# Altium PCB Frost5000_PCB.PcbDoc
Units mm, origin at the board's own origin, x right, y up, seen from the top; angles counter-clockwise.
Board outline 48.5 x 30.5 mm, 2 copper layers (Top Layer, Bottom Layer), stack 0.871 mm thick; 61 components, 40 nets, 195 pads, 124 vias.
Unrouted connection lines stored in the file: 150.
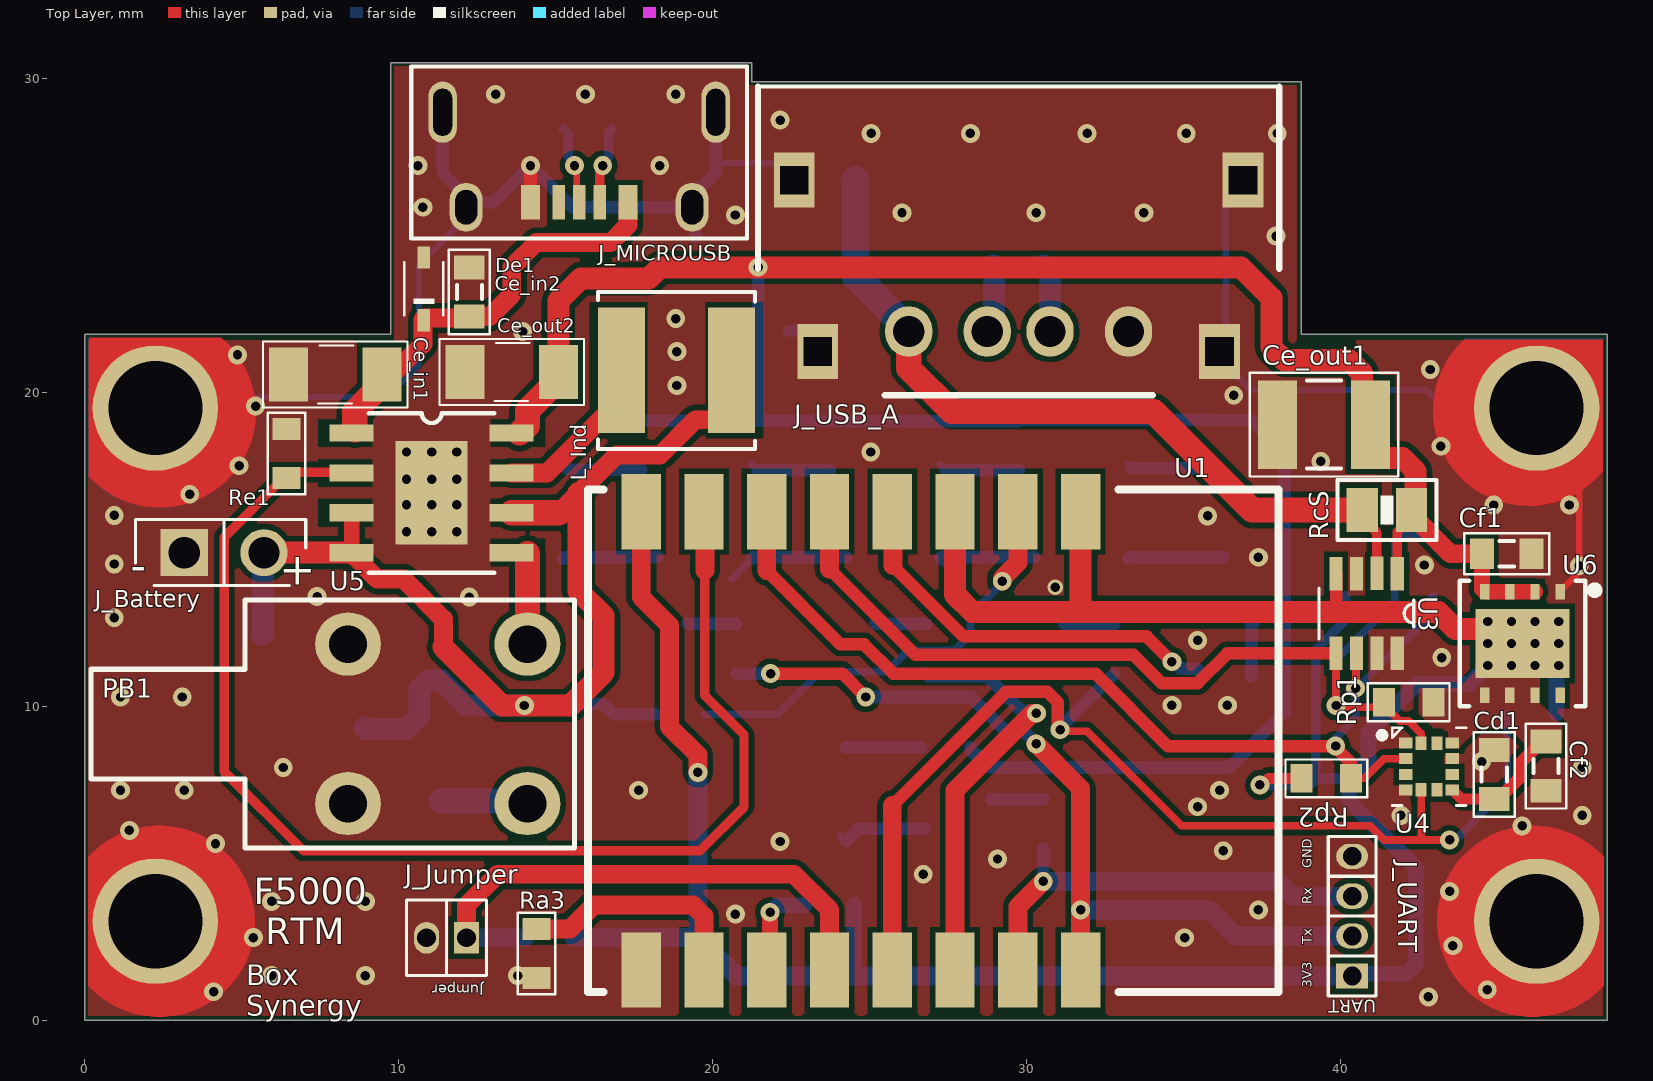
[diagram p0: Top Layer view]
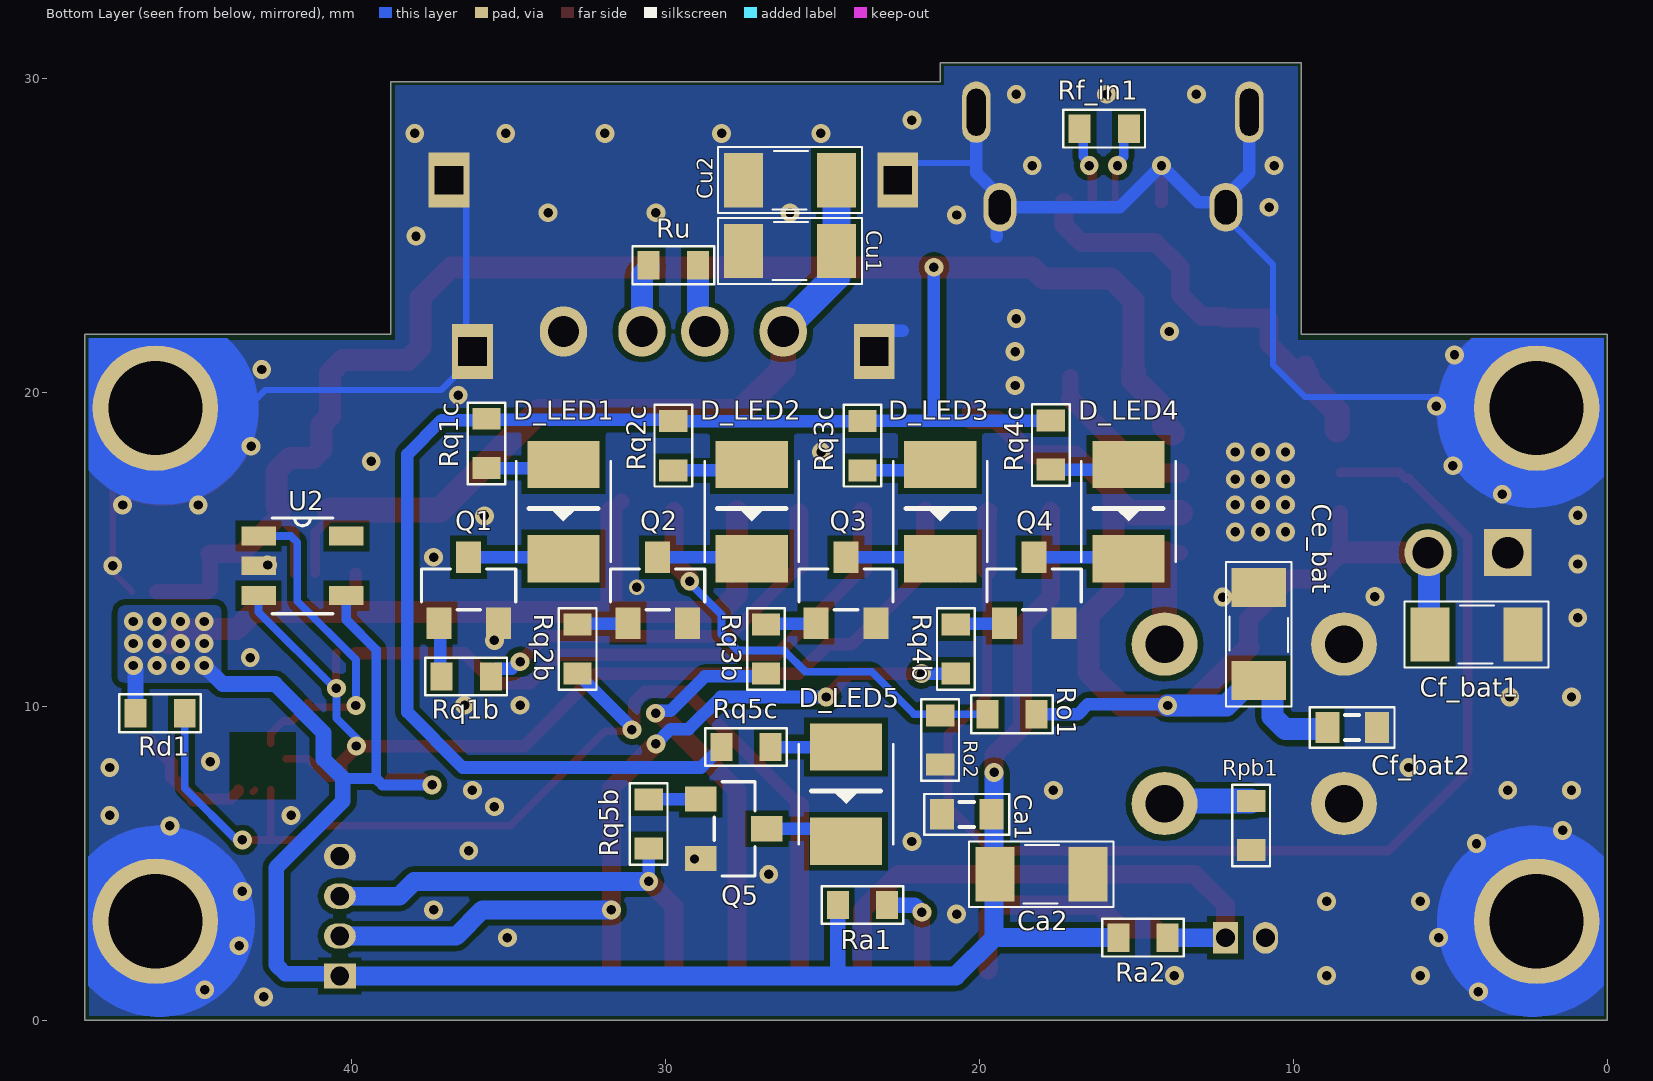
[diagram p1: Bottom Layer view, seen from below]

## Layer stack, top to bottom
Top Solder: solder mask 0.0102, Solder Resist, Dk 3.5
Top Layer: signal copper 0.0356
Dielectric 1: dielectric 0.8, FR-4, Dk 4.8
Bottom Layer: signal copper 0.0356
Bottom Solder: solder mask 0.0102, Solder Resist, Dk 3.5

## Board outline
0,0 0,21.85 9.75,21.85 9.75,30.5 21.25,30.5 21.25,29.9 38.75,29.9 38.75,21.85 48.5,21.85 48.5,0

## Design rules (kind name [scope] priority, off if disabled: settings)
Clearance [All] p1: gap=0.18 ignorepadtopadclearanceinfootprint=FALSE except(0.1: Arc-SMDPad Track-SMDPad SMDPad-SMDPad)
ComponentClearance [All] p1: gap=0.099 collisioncheckmode=3 verticalgap=0.254 showdistances=FALSE
DiffPairsRouting [All] p1: maxlimit=0.254 minlimit=0.254 mostfreqgap=0.254 substack1={21D2EC03-05BD-4C43-88CD-94EB12B345E5} toplayer_{21d2ec03-05bd-4c43-88cd-94eb12b345e5}_minwidth=0.381 toplayer_{21d2ec03-05bd-4c43-88cd-94eb12b345e5}_maxwidth=0.381 toplayer_{21d2ec03-05bd-4c43-88cd-94eb12b345e5}_prefwidth=0.381 bottomlayer_{21d2ec03-05bd-4c43-88cd-94eb12b345e5}_minwidth=0.381 bottomlayer_{21d2ec03-05bd-4c43-88cd-94eb12b345e5}_maxwidth=0.381 bottomlayer_{21d2ec03-05bd-4c43-88cd-94eb12b345e5}_prefwidth=0.381 toplayer_minwidth=0.381 toplayer_maxwidth=0.381 toplayer_prefwidth=0.381 bottomlayer_minwidth=0.381 bottomlayer_maxwidth=0.381 bottomlayer_prefwidth=0.381 maxuncoupledlength=12.7
HoleSize [All] p1: absolutevalues=TRUE maxlimit=3 minlimit=0.025 maxpercent=80.000 minpercent=20.000
MinimumSolderMaskSliver [All] p1: minsoldermaskwidth=0.039
PlaneConnect [All] p1: planeconnectstyle=Direct reliefexpansion=0.508 reliefentries=4 reliefconductorwidth=0.254 reliefairgap=0.254
PolygonConnect [All] p1: connectstyle=Direct reliefconductorwidth=0.254 reliefentries=4 polygonreliefangle="90 Angle" airgapwidth=0.254
RoutingVias [All] p1: holewidth=0.3 width=0.6 viastyle="Through Hole" minholewidth=0.008 minwidth=0.4 maxholewidth=4 maxwidth=7.1
SilkToSilkClearance [All] p1: silktosilkclearance=0
SilkToSolderMaskClearance [IsPad] p1: minsilkscreentomaskgap=0.099 clearancetoexposedcopper=TRUE
SolderMaskExpansion [All] p1: expansion=0.102 istentingtop=FALSE
Width [All] p1: maxlimit=1.2 minlimit=0.2 preferedwidth=0.3 substack1={21D2EC03-05BD-4C43-88CD-94EB12B345E5}
23 further rules are at their usual default settings.

## Components (designator, comment, footprint, x,y, rotation, side; value= is the part's Value field where it differs from the comment)
Ca1 "100nF" CAP_0603 20.404,6.555 r0 bottom
Ca2 "10uF" CAP_1206 18.025,4.65 r180 bottom
Cd1 "0.1uF" CAP_0603 44.9,7.825 r90 top
Ce_bat "22uF 10V" CAP_1206 11.1,12.3 r90 bottom
Ce_in1 "10uF 10V" CAP_1206 7.98,20.57 r180 top
Ce_in2 "100nF 10V" CAP_0603 12.25,23.2 r90 top
Ce_out1 "22uF 10V" CAP_1210 39.475,18.971 r180 top
Ce_out2 "22uF 10V" CAP_1206 13.6,20.65 r180 top
Cf1 "22uF 10V" CAP_0603 45.298,14.859 r0 top
Cf2 "22uF" CAP_0603 46.55,8.094 r270 top
Cf_bat1 "22uF 10V" CAP_1206 4.163,12.285 r180 bottom
Cf_bat2 "100nF 10V" CAP_0603 8.125,9.325 r180 bottom
Cu1 "10uF 10V" CAP_1206 26.034,24.5 r0 bottom
Cu2 "10uF 10V" CAP_1206 26.034,26.76 r0 bottom
D_LED1 "LCB TTSD-T2V1-2J8L-Z" LED_PLCC-2 33.25,16.2 r90 bottom locked
D_LED2 "LCB TTSD-T2V1-2J8L-Z" LED_PLCC-2 27.25,16.2 r90 bottom locked
D_LED3 "LCB TTSD-T2V1-2J8L-Z" LED_PLCC-2 21.25,16.2 r90 bottom locked
D_LED4 "LCB TTSD-T2V1-2J8L-Z" LED_PLCC-2 15.25,16.2 r90 bottom locked
D_LED5 "LCB TTSD-T2V1-2J8L-Z" LED_PLCC-2 24.25,7.2 r90 bottom locked
De1 "Zener 6.5V / 0.5W" ZENER-SOD323F 10.8,23.3 r90 top
J_Battery "Connx2_Battery" BATTERY 4.439,14.895 r180 top
J_Jumper "M50-3530242" "JUMPER-1.27 MM" 11.525,2.625 r180 top
J_MICROUSB "CQ-MUB-FS8772" "MICRO USB" 19.35,25.9 r180 top locked
J_UART "M50-3530442" UART-1.27MM 40.375,3.315 r90 top
J_USB_A "CQ-USB-AFFS90" USB-A__IPX8 33.25,21.94 r180 top locked
L_Ind "1uH 5A" Inductor_SRN5040 18.85,20.7 r180 top
PB1 "Push Button" "800C SWITCH" 14.102,11.98 r270 top locked
Q1 "BC817" TRANSISTOR_SOT23-3 36.27,13.7 r180 bottom locked
Q2 "BC817" TRANSISTOR_SOT23-3 30.25,13.7 r180 bottom locked
Q3 "BC817" TRANSISTOR_SOT23-3 24.25,13.7 r180 bottom locked
Q4 "BC807" TRANSISTOR_SOT23-3 18.255,13.7 r180 bottom locked
Q5 "BC807" TRANSISTOR_SOT23-3 27.825,6.098 r270 bottom
Ra1 "5.6K" RES_0603 23.725,3.67 r0 bottom
Ra2 "5.6K" RES_0603 14.79,2.63 r0 bottom
Ra3 "5.6K" RES_0603 14.39,2.125 r270 top
RcS "ERJ-6BWFR010V" RES-SHUNT-0805 41.482,16.252 r0 top
Rd1 "4.7K" RES_0603 46.1,9.779 r180 bottom
Re1 "5.6K" RES_0603 6.425,18.05 r90 top
Rf_in1 "0 Ohms" RES_0603 16.025,28.4 r180 bottom
Ro1 "332K +-1%" RES_0603 18.96,9.745 r0 bottom
Ro2 "90.9K +- 1%" RES_0603 21.25,8.924 r90 bottom
Rp1 "10K" RES_0603 42.175,10.129 r180 top
Rp2 "10K" RES_0603 39.552,7.706 r0 top
Rpb1 "5.6K" RES_0603 11.344,6.202 r270 bottom
Rq1b "1K" RES_0603 36.35,10.95 r180 bottom
Rq1c "2.74K" RES_0603 35.7,18.375 r90 bottom
Rq2b "1K" RES_0603 32.8,11.825 r270 bottom
Rq2c "2.74K" RES_0603 29.75,18.3 r90 bottom
Rq3b "1K" RES_0603 26.8,11.825 r270 bottom
Rq3c "2.74K" RES_0603 23.725,18.3 r90 bottom
Rq4b "1K" RES_0603 20.75,11.825 r270 bottom
Rq4c "2.74K" RES_0603 17.725,18.325 r90 bottom
Rq5b "1K" RES_0603 30.535,6.251 r270 bottom
Rq5c "2.74K" RES_0603 27.435,8.7 r0 bottom
Ru "0 Ohms" RES_0603 29.75,24.05 r180 bottom
U1 "ESP-07" ESP-07 16.225,16.9 r270 top locked
U2 "EEPROM 128K" 24CW128 41.565,14.475 r180 bottom
U3 "INA219BIDCNR" "INA219B SOT23" 40.837,12.957 r270 top
U4 "MC3419" MC3419 42.825,8.08 r0 top
U5 "FM5324G" SOP8 11.05,16.8 r0 top
U6 "LM1117LD-3.3/NOPB" LM1117-3.3-WSON-8 45.8,12 r270 top

## Footprints (in the part's own frame and the unit in brackets; to place one, negate y for a bottom-side part, rotate by r counter-clockwise, add the part's x,y. Pads: shape width x height; smd on the part's side, far side on the other; paste and mask are expansions set on the pad)
24CW128 [mm] "Footprint EEPROM SOT23"
  rect 1.1x0.6 smd: 1(-1.4,0.95) 2(-1.4,0) 3(-1.4,-0.95) 4(1.4,-0.95) 5(1.4,0.95)
  silkscreen extent -0.97,-1.53 0.97,1.53, body extent -1.25,-1.5 1.25,1.5, height 1.11
"800C SWITCH" [mm]
  oval 2x2.1 hole 1.2: 1(5.08,0) 3(0,0) 4(0,-5.715) 4(5.08,-5.715)
  silkscreen extent -1.4,-13.9 6.5,1.5, body extent -1.51,-19.2 6.59,0.7, height 6.61
BATTERY [mm] "Footprint Battery"
  round 1.5 hole 1: 1(-1.27,0)
  rect 1.5x1.5 hole 1: 2(1.27,0)
  silkscreen extent -2.6,-1.05 2.83,1.05
CAP_0603 [mm] "Footprint Cap Ceramic 0603"
  rect 0.762x0.976 smd: 1(-0.785,0) 2(0.785,0)
  silkscreen extent -1.35,-0.65 1.35,0.65, body extent -0.8,-0.4 0.8,0.4, height 0.81
CAP_1206 [mm] "Footprint Cap Ceramic 1206"
  rect 1.24x1.727 smd: 1(-1.485,0) 2(1.485,0)
  silkscreen extent -2.3,-1.05 2.3,1.05, body extent -1.6,-0.8 1.6,0.8, height 0.79
CAP_1210 [mm] "Footprint Cap Ceramic 1210"
  rect 1.24x2.81 smd: 1(-1.485,0) 2(1.485,0)
  silkscreen extent -2.36,-1.65 2.36,1.65, body extent -1.6,-1.25 1.6,1.25, height 0.79
ESP-07 [mm] "ESP8266 Modulo"
  rect 2.4x1.25 smd: 1(0.7,15.5) 2(0.7,13.5) 3(0.7,11.5) 4(0.7,9.5) 5(0.7,7.5) 6(0.7,5.5) 7(0.7,3.5) 8(0.7,1.5) 9(15.3,1.5) 10(15.3,3.5) 11(15.3,5.5) 12(15.3,7.5) 13(15.3,9.5) 14(15.3,11.5) 15(15.3,13.5) 16(15.3,15.5)
  silkscreen extent 0,-0.2 16,21.8, body extent 0,-0.2 16,21.8, height 3.51
"INA219B SOT23" [mm] "Current Monitor"
  rect 1.067x0.42 smd mask+0.09: 1(-1.27,0.975) 2(-1.275,0.325) 3(-1.27,-0.325) 4(-1.27,-0.975) 5(1.27,-0.975) 6(1.27,-0.325) 7(1.27,0.325) 8(1.27,0.975)
  silkscreen extent -0.81,-1.52 0.81,1.5, body extent -1.4,-1.47 1.4,1.47, height 1.2
Inductor_SRN5040 [mm] "Inductor_SRN5040"
  rect 1.5x4 smd: 1(-1.75,0) 2(1.75,0)
  silkscreen extent -2.5,-2.5 2.5,2.5, body extent -2.5,-2.5 2.5,2.5, height 4.01
"JUMPER-1.27 MM" [mm] "Footprint Jumper"
  rect 0.8x1.016 hole 0.6: 1(-0.635,0)
  oval 0.8x1.016 hole 0.6: 2(0.635,0)
  silkscreen extent -1.27,-1.2 1.28,1.2, body extent -1.27,-1.2 1.27,1.2, height 4.85
LED_PLCC-2 [mm] "Footprint_LED_PLCC-2"
  rect 1.5x2.3 smd: 1(-1.5,0) 2(1.5,0)
  silkscreen extent -1.6,-1.5 1.6,1.5, body extent -1.73,-1.4 1.85,1.4, height 1.67
LM1117-3.3-WSON-8 [mm] "Footprint del LDO de Texas"
  rect 0.5x0.3 smd mask+0.07: 1(-1.65,1.2) 2(-1.65,0.4) 3(-1.65,-0.4) 4(-1.65,-1.2) 5(1.65,-1.2) 6(1.65,-0.4) 7(1.65,0.4) 8(1.65,1.2)
  rect 2.2x3 smd mask+0.07: 9(0,0)
  silkscreen extent -2,-2 2,2.4, body extent -2,-2 2,2, height 0.81
MC3419 [mm] "Footprint LSM303AGR"
  rect 0.43x0.35 smd mask+0.033: 1(-0.745,0.75) 2(-0.745,0.25) 3(-0.745,-0.25) 4(-0.745,-0.75) 7(0.745,-0.75) 8(0.745,-0.25) 9(0.745,0.25) 10(0.745,0.75)
  rect 0.35x0.43 smd mask+0.033: 5(-0.25,-0.745) 6(0.25,-0.745) 11(0.25,0.745) 12(-0.25,0.745)
  silkscreen extent -1.6,-1.24 1.17,1.24, body extent -1,-1 1,1, height 0.97
"MICRO USB" [mm] "Footprint MicroUSB"
  oval 0.9x1.95 hole 0.6 slot 1.5 at 90 deg: 0(-0.75,-3.025) 0(7.95,-3.025)
  oval 1.05x1.55 hole 0.7 slot 1.1 at 90 deg: 0(0,0) 0(7.2,0)
  rect 0.6x1.1 smd mask+0.08: 1(2.05,-0.15) 5(5.15,-0.15)
  rect 0.4x1.1 smd mask+0.08: 2(2.95,-0.15) 3(3.6,-0.15) 4(4.25,-0.15)
  silkscreen extent -1.75,-4.47 8.95,1, body extent -1.35,-7.02 8.55,0.28, height 4.32
RES-SHUNT-0805 [mm] "SHUNT 0805"
  rect 1x1.4 smd: 1(-0.785,0) 2(0.785,0)
  silkscreen extent -1.57,-0.95 1.58,0.95, body extent -0.99,-0.66 1.03,0.61, height 0.63
RES_0603 [mm] "Footprint Resistor 0603"
  rect 0.7x0.9 smd: 1(-0.785,0) 2(0.785,0)
  silkscreen extent -1.3,-0.6 1.3,0.6, body extent -0.8,-0.4 0.8,0.4, height 0.46
SOP8 [mm]
  rect 1.4x0.55 smd: 1(-2.55,1.905) 2(-2.55,0.635) 3(-2.55,-0.635) 4(-2.55,-1.905) 5(2.55,-1.905) 6(2.55,-0.635) 7(2.55,0.635) 8(2.55,1.905)
  rect 2.3x3.3 smd mask+0.07: 9(0,0)
  silkscreen extent -2,-2.54 2,2.54, body extent -3,-2.45 3,2.45, height 1.75
TRANSISTOR_SOT23-3 [mm] "Transistor NPN"
  rect 0.8x1 smd: B(-0.95,-1.05) C(0,1.05) E(0.95,-1.05)
  silkscreen extent -1.5,-0.63 1.5,0.67, body extent -1.5,-1.25 1.5,1.25, height 1.11
UART-1.27MM [mm] "Socket UART"
  rect 0.8x1.016 hole 0.6: 1(-1.905,0)
  oval 0.8x1.016 hole 0.6: 2(-0.635,0) 3(0.635,0) 4(1.905,0)
  silkscreen extent -2.54,-0.76 2.54,0.76, body extent -2.54,-1.2 2.54,1.2, height 4.85
USB-A__IPX8 [mm] "Footprint del USB tipo A"
  rect 1.3x1.75 hole 0.9 square: 0(-3.65,-4.82) 0(-2.9,0.64) 0(9.9,0.64) 0(10.65,-4.82)
  oval 1.5x1.6 hole 1: 1(7,0) 2(4.5,0) 3(2.5,0) 4(0,0)
  silkscreen extent -4.8,-7.8 11.8,2.03, body extent -4.15,-10.95 11.15,1.2, height 7.46
ZENER-SOD323F [mm] "Fooprint Zener"
  rect 0.71x0.403 smd: A(1,0) C(-1,0)
  silkscreen extent -0.85,-0.63 0.85,0.63, body extent -1.25,-0.67 1.25,0.68, height 1.01

## Part data
Ca1 Cd1 Ce_in2 Cf1 Cf2 Cf_bat2: library part Cap_0603_Ceramic, "Capac Ceramic SMD 0603"
Ca2 Ce_bat Ce_in1 Ce_out2 Cf_bat1 Cu1 Cu2: library part Cap_1206_Ceramic, "Capac Ceramic SMD"
Ce_out1: library part Cap_1210_Ceramic, "Capac Ceramic SMD 1210"
D_LED1 D_LED2 D_LED3 D_LED4 D_LED5: library part LCB_TTSD, "Blue LED PLCC-2", Package="0603 Broadcom", Availability=Unavailable, MF="Broadcom Limited", MP=HSMW-C191, Price=None, SnapEDA_Link=https://www.snapeda.com/parts/HSMW-C191/Broadcom%20Limited/view-part/1840124/?ref=snap
De1: library part Zener, Package="SOD-123 Littelfuse", Supplier Part Number 1=621-DDZ6V8BSF-7, Availability=Unavailable, MF=Littelfuse, MP=SMF5.0AT1G, Price=None, SnapEDA_Link=https://www.snapeda.com/parts/SMF5.0AT1G/Littelfuse/view-part/4502608/?ref=snap, Supplier 1=Mouser
J_Battery: "NO SOCKET"
J_Jumper: library part Jumper, "1.27mm Pin Header 2x1", Supplier Part Number 1=855-M50-3530242, Supplier 1=Mouser
J_MICROUSB: library part MicroUSB, "MicroUSB B-type Socket"
J_UART: library part Connx4_UART, "1.27mm Pin Header 4x1", Supplier Part Number 1=855-M50-3530442, Supplier 1=Mouser
J_USB_A: library part "USB-A 5V", "USB-A Socket"
L_Ind: library part Ind_SRN5040, "Inductor_SRN5040", Package="Nonstandard Vishay Dale", Supplier Part Number 1=652-SRN5040TA-1R0M, Availability=Unavailable, MF="Vishay Dale", Price=None, SnapEDA_Link=https://www.snapeda.com/parts/IHLP-2525CZ-01/Vishay%20Dale/view-part/561997/?ref=snap, Supplier 1=Mouser
PB1: library part 800C, "Push Button 800C", Supplier Part Number 1=612-800-S762, Supplier 1=Mouser
Q1 Q2 Q3: "Transistor NPN", Supplier Part Number 1=BC817-40WDICT-ND, Supplier 1=Digi-Key
Q4 Q5: "Transistor PNP", Supplier Part Number 1=BC807-40FCT-ND, Supplier 1=Digi-Key
Ra1 Ra2 Ra3 Rd1 Re1 Rf_in1 Ro1 Ro2 Rp1 Rp2 Rpb1 Rq1b Rq1c Rq2b Rq2c Rq3b Rq3c Rq4b Rq4c Rq5b Rq5c Ru: library part Res_0603, "Resistor SMD", LatestRevisionDate=17-Jul-2002, LatestRevisionNote="Re-released for DXP Platform.", PackageDescription="Axial Device, Thru-Hole; 2 Leads; 0.3 in Pin Spacing", PackageReference=AXIAL-0.3, Published=8-Jun-2000, Publisher="Altium Limited"
RcS: library part Shunt_0805, "Shunt 0.01 Ohm 0.5W 1% SMD Resistor", Supplier Part Number 1=667-ERJ-6BWFR010V, LatestRevisionDate=17-Jul-2002, LatestRevisionNote="Re-released for DXP Platform.", PackageDescription="Axial Device, Thru-Hole; 2 Leads; 0.3 in Pin Spacing", PackageReference=AXIAL-0.3, Published=8-Jun-2000, Publisher="Altium Limited", Supplier 1=Mouser
U1: "ESP07 Module with Antenna Ai-Thinker", Package="TSOT-23-6 Diodes Inc.", Availability=Unavailable, MF="Diodes Inc.", MP=AP65111AWU-7, Price=None, SnapEDA_Link=https://www.snapeda.com/parts/AP65111AWU-7/Diodes%20Inc./view-part/1631258/?ref=snap
U2: library part 24CW1280T-I/OT, Supplier Part Number 1=579-24CW1280T-I/OT, Supplier 1=Mouser
U3: "Current Monitor Regulator High-Side 10mA SOT-23-8", Package="SOT-23 Texas Instruments", Supplier Part Number 1=595-INA219BIDCNR, Digi-Key_Part_Number=296-46420-1-ND, Digi-Key_Purchase_URL=https://www.digikey.com.au/product-detail/en/texas-instruments/INA219BIDCNR/296-46420-1-ND/7033594?utm_source=snapeda&utm_medium=aggregator&utm_campaign=symbol, MF="Texas Instruments", MP=INA219BIDCNR, SnapEDA_Link=https://www.snapeda.com/parts/INA219BIDCNR/Texas%20Instruments/view-part/870494/?ref=snap, Supplier 1=Mouser
U4: "Accelerometer", Package="VFLGA-12 STMicroelectronics", Supplier Part Number 1=498-MC3419, Availability=Unavailable, MF=STMicroelectronics, MP=LSM303AGR, Price=None, SnapEDA_Link=https://www.snapeda.com/parts/LSM303AGR/STMicroelectronics/view-part/3601838/?ref=snap, Supplier 1=Mouser
U5: "Power Battery Management IC", Package="SOT-223-3 Analog Devices", Availability=Unavailable, MF="Analog Devices", MP=LT1117IST-5#PBF, Price=None, SnapEDA_Link=https://www.snapeda.com/parts/LT1117IST-5%23PBF/Analog%20Devices/view-part/4348177/?ref=snap
U6: "LDO Regulator Pos 3.3V 0.8A Texas - WSON8", Package="SOT-223-3 Analog Devices", Supplier Part Number 1=926-LM1117LD33NOPB, Availability=Unavailable, MF="Analog Devices", MP=LT1117IST-5#PBF, Price=None, SnapEDA_Link=https://www.snapeda.com/parts/LT1117IST-5%23PBF/Analog%20Devices/view-part/4348177/?ref=snap, Supplier 1=Mouser

## Free pads (board coordinates)
  round 4 hole 3: H(2.25,3.15) H(2.25,19.5) H(46.25,3.15) H(46.25,19.5)

## Via types
v1: diameter 0.6, hole 0.3, Top Layer to Bottom Layer, tented both sides, 123 vias
v2: diameter 0.5, hole 0.3, Top Layer to Bottom Layer, tented both sides, 1 vias

## Nets (pads, with @x,y where several pads share a name; then routed paths per layer and width w, separated by ;. In a path a pad name is that pad's centre, name@x,y a point inside that pad or via, vN(x,y) a via of type N, cw(c..) or ccw(c..) an arc to the next point about the centre after c; other vN are vias at no path point)
3.3V: Ca1.1 Ca2.1 Cd1.1 Cf2.1 J_UART.1 Ra1.2 Ra2.2 Rd1.1 Rp1.1 Rp2.1 U1.1 U1.3 U1.8 U2.4 U3.4 U4.7 U4.10 U6.5 U6.6 U6.7 U6.9 | length 99.8
  Top Layer w0.35: v1(37.435,7.495) 37.502,7.495 37.713,7.706 Rp2.1 ; U4.7@43.604,7.295 43.86,7.04 Cd1.1 ; U4.7@43.604,7.33 U4.7@43.61,7.33
  Top Layer w0.4: 39.862,13 U3.4 ; Cd1.1@45.032,7.04 45.737,7.744 45.737,8.199 Cf2.1@46.418,8.879
  Top Layer w0.45: Cd1.1 Cd1.1@45.032,7.04 ; Cf2.1@46.418,8.879 Cf2.1
  Top Layer w0.5: U1.1@31.4,16.525 U1.1
  Top Layer w0.6: U1.8 17.725,13.478 18.625,12.578 18.625,9.355 19.53,8.45 v1(19.53,7.893)
  Top Layer w0.7: U1.3 27.725,13.562 28.287,13 31.725,13 ; U1.1 31.725,13 ; U6.9 45.335,12.465 43.66,12.465 43.125,13 39.862,13 31.725,13
  Bottom Layer w0.3: 39.219,7.706 39.219,11.804 40.165,12.75 U2.4
  Bottom Layer w0.35: v1(37.435,7.495) 39.008,7.495 39.219,7.706 40.277,7.706
  Bottom Layer w0.5: 24.415,1.41 24.51,1.505 Ra1.2 ; J_UART.1 40.44,1.475 42.107,1.475 42.4,1.768 42.4,4.86 40.277,6.983 40.277,7.706 40.895,8.323 40.895,9.159 42.443,10.707 44.107,10.707 v1(44.7,11.3) ; Rd1.1 46.885,11.208 46.95,11.273 v1(46.95,11.3)
  Bottom Layer w0.6: Ra2.2 19.53,2.63 ; v1(19.53,7.893) 19.53,2.63 ; J_UART.1 24.415,1.41 20.75,1.41 19.53,2.63
  other v1: 45.45,11.3 46.2,11.3 44.692,12 45.45,12 46.2,12 46.95,12 44.692,12.7 45.45,12.7 46.2,12.7 46.95,12.7
5V: Ce_out1.1 Ce_out2.1 Cf1.1 RcS.2 Rq1c.2 Rq2c.2 Rq3c.2 Rq4c.2 Rq5c.2 U3.1 U5.8 U6.2 U6.3 U6.4 | length 91.8
  Top Layer w0.3: U3.1 41.812,15.553 RcS.2@42.266,16.007
  Top Layer w0.4: RcS.2@42.266,16.007 RcS.2@42.266,16.097
  Top Layer w0.5: RcS.2@42.266,16.097 RcS.2 ; Cf1.1 44.513,13.737 U6.4 U6.3 U6.2
  Top Layer w0.6: RcS.2@42.266,16.097 43.504,14.859 Cf1.1
  Top Layer w0.7: Ce_out2.1 15.085,22.91 15.8,23.625 17.965,23.625 18.325,23.985 v1(21.45,23.985) 36.83,23.985 37.8,23.015 37.8,21.439 38.21,21.029 40.28,21.029 40.69,20.619 40.69,19.241 Ce_out1.1 40.96,18.186 41.23,17.916 41.968,17.916 42.4,17.485 42.4,16.385 RcS.2
  Top Layer w0.8: U5.8@13.85,18.7 14.1,18.95 14.1,19.421 15.085,20.406 Ce_out2.1
  Bottom Layer w0.3: 24.879,19.039 24.925,19.085
  Bottom Layer w0.4: Rq4c.2 17.738,19.097 21.35,19.097 ; v1(21.45,23.985) 21.45,19.197 21.35,19.097 ; Rq5c.2 28.22,8.6 28.37,8.45 28.47,8.45 28.87,8.05 36.463,8.05 38.225,9.812 38.225,18.025 37.135,19.115 35.745,19.115 Rq1c.2 35.662,19.122 29.787,19.122 Rq2c.2 24.925,19.085 Rq3c.2 23.713,19.097 21.35,19.097
5Vin: Ce_in1.1 Ce_in2.1 De1.C J_MICROUSB.1 U5.1 | length 14
  Top Layer w0.6: Ce_in1.1 9.8,20.57 10.775,21.545 10.775,22.325 10.8,22.35 10.82,22.37 12.205,22.37 Ce_in2.1 12.9,22.415 13.6,23.115 13.6,23.985 14.39,24.775 16.75,24.775 17.3,25.325 J_MICROUSB.1 ; Ce_in1.1@9.61,20.406 9.61,20.65 Ce_in1.1@9.61,20.875
  Top Layer w0.8: U5.1@8.6,18.805 8.6,19.396 Ce_in1.1@9.61,20.406
5Vout: Cu1.1 Cu2.1 J_USB_A.1 RcS.1 U3.2 | length 25.2
  Top Layer w0.3: RcS.1 40.696,16.007 41.162,15.541 U3.2
  Top Layer w0.8: J_USB_A.1 26.25,20.767 27.62,19.396 34.045,19.396 37.19,16.252 RcS.1
  Bottom Layer w0.9: Cu2.1 24.549,23.701 26.059,22.191 26.059,22.131 J_USB_A.1
A-Colector1: D_LED1.1 Q1.C | length 3
  Bottom Layer w0.4: D_LED1.1 33.3,14.75 Q1.C
A-Colector2: D_LED2.1 Q2.C | length 3.9
  Bottom Layer w0.25: D_LED2.1 D_LED2.1@27.875,14.075
  Bottom Layer w0.4: D_LED2.1 27.3,14.75 Q2.C
A-Colector3: D_LED3.1 Q3.C | length 3.9
  Bottom Layer w0.25: D_LED3.1@20.625,14.075 D_LED3.1
  Bottom Layer w0.4: D_LED3.1 21.3,14.75 Q3.C
A-Colector4: D_LED4.1 Q4.C | length 3
  Bottom Layer w0.4: D_LED4.1 15.3,14.75 Q4.C
A-Colector5: D_LED5.1 Q5.C | length 2.9
  Bottom Layer w0.25: D_LED5.1@24.075,5.875 D_LED5.1
  Bottom Layer w0.4: D_LED5.1 24.648,6.098 Q5.C
ADCin: Ro1.2 Ro2.2 U1.2 | length 14.1
  Top Layer w0.6: v1(29.226,13.982) 29.226,14.075 29.725,14.574 U1.2
  Bottom Layer w0.25: Ro1.2 20.953,9.745 22.079,9.745 23.433,11.1 25.542,11.1 26.214,11.772 27.69,11.772 28.22,12.301 28.22,12.924 29.226,13.93 v1(29.226,13.982)
Base1: Q1.B Rq1b.1 | length 1.7
  Bottom Layer w0.4: Rq1b.1 37.177,10.993 37.177,12.608 Q1.B
Base2: Q2.B Rq2b.1 | length 1.6
  Bottom Layer w0.4: Q2.B 31.22,12.63 32.78,12.63 Rq2b.1
Base3: Q3.B Rq3b.1 | length 1.6
  Bottom Layer w0.4: Q3.B 25.22,12.63 26.78,12.63 Rq3b.1
Base4: Q4.B Rq4b.1 | length 1.6
  Bottom Layer w0.4: Q4.B 19.225,12.63 20.73,12.63 Rq4b.1
Base5: Q5.B Rq5b.1 | length 1.7
  Bottom Layer w0.4: Q5.B 28.881,7.042 30.529,7.042 Rq5b.1
DCP+: J_USB_A.3 Ru.1 | length 2.2
  Bottom Layer w0.7: Ru.1 30.535,23.95 30.75,23.735 J_USB_A.3
DCP-: J_USB_A.2 Ru.2 | length 2.2
  Bottom Layer w0.7: J_USB_A.2 28.965,22.155 28.965,23.745 Ru.2
GND: Ca1.2 Ca2.2 Cd1.2 Ce_bat.2 Ce_in1.2 Ce_in2.2 Ce_out1.2 Ce_out2.2 Cf1.2 Cf2.2 Cf_bat1.2 Cf_bat2.2 Cu1.2 Cu2.2 De1.A J_Battery.2 J_Jumper.2 J_MICROUSB.0 J_MICROUSB.5 J_UART.4 J_USB_A.0 J_USB_A.4 pad.H PB1.4 Q1.E Q2.E Q3.E Q4.E Q5.E Ra3.2 Re1.2 Ro2.1 Rpb1.2 U1.9 U2.2 U3.3 U3.7 U3.8 U4.1 U4.4 U4.9 U5.9 U6.1 | length 66.9
  Top Layer w0.2: pad.H@1.93,3.47 v1@4.375,1.025 ; pad.H@46.25,18.15 46.572,18.15 47.607,17.114 v1(47.607,14.475) 47.607,14.272 46.993,13.657 U6.1
  Top Layer w0.4: J_MICROUSB.5 v1(14.2,27.226)
  Bottom Layer w0.2: pad.H@2.25,4.719 pad.H@2.25,3.15 ; pad.H@2.25,18.15 3.517,18.15 5.217,19.85 9.625,19.85 10.65,20.875 10.65,24.075 12.15,25.575 12.15,25.826 J_MICROUSB.0@12.15,25.9 ; pad.H@2.417,3.15 pad.H@2.25,3.15 ; pad.H@2.762,3.662 pad.H@2.25,3.15 ; 20.1,27.308 22.923,27.308 22.6,26.985 J_USB_A.0@22.6,26.76 ; J_USB_A.0@36.35,27.535 36.9,26.985 36.9,26.76 36.35,26.21 36.35,21.5 36.15,21.3 36.15,21.075 37.15,20.075 42.756,20.075 44.681,18.15 pad.H@46.25,18.15
  Bottom Layer w0.4: J_MICROUSB.0@11.4,28.925 11.4,26.991 12.15,26.241 J_MICROUSB.0@12.15,25.9 ; J_MICROUSB.0@12.15,25.826 12.383,26.059 13.032,26.059 v1(14.2,27.226) 15.526,25.9 J_MICROUSB.0@19.35,25.9 ; 19.445,24.955 19.445,25.805 J_MICROUSB.0@19.35,25.9 ; J_MICROUSB.0@20.1,28.925 20.1,26.991 19.35,26.241 J_MICROUSB.0@19.35,25.9 ; 22.438,21.962 22.9,21.962 23.35,21.512 J_USB_A.0@23.35,21.3
  other v1: 42.805,0.744 4.102,0.904 44.681,0.972 5.952,1.422 8.938,1.422 13.79,1.422 43.584,2.371 5.371,2.63 35.035,2.625 20.726,3.38 37.389,3.515 5.952,3.786 8.938,3.786 43.479,4.105 26.71,4.65 29.075,5.136 36.27,5.396 4.163,5.626 22.15,5.694 1.42,6.045 45.788,6.189 41.926,6.525 47.703,6.525 35.452,6.8 1.138,7.323 3.169,7.323 17.645,7.323 36.15,7.323 6.325,8.051 47.703,8.05 44.5,8.239 34.631,10.035 36.402,10.035 1.138,10.296 3.104,10.296 43.23,11.552 35.452,12.1 0.94,12.822 7.4,13.493 12.25,13.48 42.678,14.5 0.94,14.534 37.389,14.75 10.25,15.557 11.05,15.557 11.85,15.557 35.768,16.064 0.94,16.083 10.25,16.422 11.05,16.422 11.85,16.422 44.887,16.412 47.294,16.412 3.343,16.756 10.25,17.235 11.05,17.235 11.85,17.235 4.916,17.665 39.373,17.801 10.25,18.1 11.05,18.1 11.85,18.1 25.04,18.1 43.201,18.286 5.441,19.561 36.605,19.908 18.863,20.218 42.865,20.729 4.864,21.195 18.863,21.3 13.946,21.94 18.828,22.35 37.948,24.979 20.726,25.65 26.034,25.72 30.305,25.72 33.741,25.72 10.771,25.9 10.612,27.226 18.314,27.226 25.05,28.25 28.214,28.25 31.929,28.25 35.087,28.25 37.99,28.25 22.15,28.675 13.087,29.5 15.946,29.5 18.828,29.5
  other v2: 30.92,13.794
GPIO2: Ra1.1 U1.11 | length 3.1
  Top Layer w0.5: U1.11 21.831,1.706 v1(21.831,3.44)
  Bottom Layer w0.5: v1(21.831,3.44) 22.057,3.666 22.936,3.666 Ra1.1
GPIO15: Ra3.1 U1.10 | length 7.5
  Top Layer w0.6: Ra3.1 15.464,2.91 16.225,3.67 19.374,3.67 19.725,3.319 U1.10
JUMPER: J_Jumper.1 Ra2.1 U1.12 | length 17.2
  Top Layer w0.6: J_Jumper.1 12.16,3.66 13.15,4.65 22.59,4.65 23.725,3.515 U1.12
  Bottom Layer w0.6: J_Jumper.1 12.162,2.627 14.003,2.627 Ra2.1
K-Colector1: D_LED1.2 Rq1c.1 | length 2.5
  Bottom Layer w0.25: D_LED1.2 D_LED1.2@33.36,17.59
  Bottom Layer w0.3: Rq1c.1 Rq1c.1@35.705,17.595
  Bottom Layer w0.4: D_LED1.2@33.36,17.59 Rq1c.1
K-Colector2: D_LED2.2 Rq2c.1 | length 2.6
  Bottom Layer w0.25: D_LED2.2 D_LED2.2@27.435,17.515
  Bottom Layer w0.4: D_LED2.2@27.435,17.515 Rq2c.1
K-Colector3: D_LED3.2 Rq3c.1 | length 2.6
  Bottom Layer w0.25: D_LED3.2 D_LED3.2@21.435,17.515
  Bottom Layer w0.4: D_LED3.2@21.435,17.515 Rq3c.1
K-Colector4: D_LED4.2 Rq4c.1 | length 2.5
  Bottom Layer w0.25: D_LED4.2 D_LED4.2@15.41,17.54
  Bottom Layer w0.4: D_LED4.2@15.41,17.54 Rq4c.1
K-Colector5: D_LED5.2 Rq5c.1 | length 2.4
  Bottom Layer w0.4: D_LED5.2 Rq5c.1
LED1: Rq1b.2 U1.4 | length 13.1
  Top Layer w0.4: U1.4 U1.4@25.75,16.175 ; 25.75,14.475 28,12.225 33.823,12.225 v1(34.631,11.418)
  Top Layer w0.6: 25.75,14.475 U1.4@25.75,16.175
  Bottom Layer w0.4: v1(34.631,11.418) 34.685,11.418 34.903,11.2 35.415,11.2 35.565,11.05 Rq1b.2
LED2/INT: Rd1.2 Rq2b.2 U1.13 U4.5 | length 36
  Top Layer w0.25: v1@30.995,9.328 v1(31.072,9.251) 31.117,9.207 31.929,9.207 34.942,6.195 40.945,6.195 41.397,5.742 42.575,5.742 ; U4.5 42.575,5.742 ; v1(43.479,5.742) 42.575,5.742
  Top Layer w0.4: 25.725,6.839 29.346,10.46 30.667,10.46 30.995,10.132 v1@30.995,9.328
  Top Layer w0.6: U1.13 25.725,6.839
  Bottom Layer w0.25: v1@43.573,5.742 v1(43.479,5.742) 43.667,5.742 45.315,7.39 Rd1.2
  Bottom Layer w0.4: v1(31.072,9.251) 31.072,9.312 Rq2b.2
LED3: Rq3b.2 U1.14 | length 13.4
  Top Layer w0.6: U1.14 27.725,7.323 30.182,9.78 v1(30.315,9.78)
  Bottom Layer w0.4: Rq3b.2 26.89,10.95 28.745,10.95 29.844,9.852 30.244,9.852 v1(30.315,9.78)
LED4/U0TXD: J_UART.2 Rq4b.2 U1.16 | length 27.3
  Top Layer w0.4: v1(21.85,11.04) 24.135,11.04 v1(24.879,10.296) v1@24.9,10.275
  Top Layer w0.6: v1(30.305,8.8) 31.725,7.38 U1.16
  Bottom Layer w0.4: Rq4b.2 v1(21.85,11.04) ; v1(24.879,10.296) 28.239,10.296 29.266,9.27 29.835,9.27 v1(30.305,8.8)
  Bottom Layer w0.6: v1(31.725,3.515) 35.835,3.515 36.67,2.68 J_UART.2
LED5/U0RXD: J_UART.3 Rq5b.2 U1.15 | length 14.2
  Top Layer w0.6: U1.15 29.725,3.612 v1(30.535,4.422)
  Bottom Layer w0.4: v1(30.535,4.422) Rq5b.2
  Bottom Layer w0.6: v1(30.535,4.422) 38.003,4.422 38.475,3.95 J_UART.3
NetJ_MICROUSB_2: J_MICROUSB.2 Rf_in1.1 | length 2.5
  Top Layer w0.3: J_MICROUSB.2 16.4,27.045 16.5,27.145 v1(16.5,27.226)
  Bottom Layer w0.3: v1(16.5,27.226) 16.5,27.308 16.692,27.5 16.692,28.282 Rf_in1.1
NetJ_MICROUSB_3: J_MICROUSB.3 Rf_in1.2 | length 2.6
  Top Layer w0.2: v1(15.6,27.226) 15.675,27.151 15.675,26.125 J_MICROUSB.3
  Bottom Layer w0.3: Rf_in1.2 15.408,28.232 15.408,27.5 15.6,27.308 v1(15.6,27.226)
NetL_Ind_2: L_Ind.2 U5.7 | length 5.2
  Top Layer w0.5: L_Ind.2@17.1,19.807 L_Ind.2@17.1,20.5
  Top Layer w0.6: U5.7 14.728,17.435 L_Ind.2@17.1,19.807
NetPB1_1: PB1.1 Rpb1.1 | length 2.8
  Bottom Layer w0.7: PB1.1@14.014,6.987 PB1.1
  Bottom Layer w0.8: Rpb1.1 PB1.1@14.014,6.987
SCL: Rp1.2 U1.5 U2.1 U3.5 U4.12 | length 32.1
  Top Layer w0.25: v1@39.862,9.97 Rp1.2@41.231,9.97 ; U3.5 39.862,10.238 v1@39.929,10.171 ; Rp1.2@41.343,9.97 Rp1.2@41.422,9.891 ; Rp1.2 41.39,10.029 41.89,9.529 42.175,9.529 42.574,9.13 U4.12@42.574,8.825
  Top Layer w0.4: 23.725,14.375 26.455,11.645 33.4,11.645 34.307,10.738 35.452,10.738 36.402,11.687 U3.5
  Top Layer w0.6: 23.725,14.375 U1.5
  Bottom Layer w0.25: v1(39.862,10.025) 39.862,11.48 41.733,13.35 41.733,15.222 41.936,15.425 U2.1
SDA: Rp2.2 U1.6 U2.3 U3.6 U4.2 | length 32.9
  Top Layer w0.25: Rp2.2 40.766,7.706 41.39,8.33 U4.2 ; v1(40.485,10.575) 40.499,10.589 40.499,11.701 U3.6@40.485,11.714
  Top Layer w0.4: 21.725,14.325 24.075,11.975 24.825,11.975 25.76,11.04 32.2,11.04 34.515,8.725 39.838,8.725 v1(39.849,8.736) 39.849,8.682 40.337,8.194 Rp2.2
  Top Layer w0.6: 21.725,14.325 U1.6
  Bottom Layer w0.25: v1(39.849,8.736) 39.849,8.988 40.485,9.624 v1(40.485,10.575) 40.54,10.575 42.965,13 42.965,13.35 42.89,13.425 42.865,13.425 U2.3
STAT_BAT: Re1.1 U1.7 U5.2 | length 40.5
  Top Layer w0.3: U5.2 8.478,17.457 6.617,17.457 Re1.1 6.325,17.265 4.439,15.379 4.439,7.927 6.971,5.396 19.6,5.396 21,6.796 21,9.095 19.75,10.345 19.75,14.328
  Top Layer w0.6: U1.7 19.755,16.17 19.755,14.333 19.75,14.328
TAPW: PB1.3 U5.5 | length 3.4
  Top Layer w0.5: U5.5 14.077,14.895 U5.5@14.102,14.87
  Top Layer w0.8: PB1.3@14.102,11.962 U5.5@14.102,14.87
V_BAT: Ce_bat.1 Cf_bat1.1 Cf_bat2.1 J_Battery.1 L_Ind.1 Ro1.1 U5.3 U5.4 U5.6 | length 42.8
  Top Layer w0.5: U5.4@8.5,14.87 U5.4 U5.3
  Top Layer w0.6: U5.4@8.5,14.87 9.32,14.05 10.161,14.05 10.82,13.391 10.82,13.38 11.424,12.776 11.424,11.885 ; 15.1,16.165 15.725,16.79 16.935,18 18.325,18 19.451,19.126 20.25,19.126 20.261,19.138 L_Ind.1@20.261,19.396
  Top Layer w0.7: J_Battery.1 8.475,14.895 U5.4@8.5,14.87 ; 11.424,11.885 13.284,10.025 15.475,10.025 16.529,11.079 16.529,12.876 15.725,13.68 15.725,16.79
  Top Layer w0.8: U5.6 15.1,16.165
  Bottom Layer w0.4: v1(14.005,10.025) 14.043,10.063 14.185,10.063 14.189,10.068 16.54,10.068 16.862,9.745 Ro1.1
  Bottom Layer w0.7: Cf_bat1.1 5.679,12.315 5.679,14.865 J_Battery.1 ; Cf_bat2.1 8.965,9.27 10.256,9.27 10.666,9.68 10.666,10.545 10.936,10.815 11.344,10.815 12.134,10.025 v1(14.005,10.025)
pads on no net: J_MICROUSB.4 U2.5 U4.3 U4.6 U4.8 U4.11 U6.8
copper on no net: | length 0.1
  Top Layer w0.2: 43.075,7.344 43.15,7.269

## Polygon pours and split planes (outlines as drawn)
GND on Top Layer "Plano_Masa_Top" (solid, remove dead copper, pour order 58): 0.115,21.654 0.115,0.136 33.84,0.136 44.09,0.136 48.365,0.136 48.365,21.654 38.615,21.654 38.615,29.786 21.115,29.786 21.115,30.386 9.865,30.386 9.865,21.654
3.3V on Top Layer "3.3v_top" (solid, remove dead copper, pour order 36): 46.35,11.475 44.325,11.475 44.3,11.5 44.3,11.1 44.25,11.05 43.775,10.575 42.5,10.575 42.5,9.779 42.979,9.3 43.25,9.3 43.375,9.175 43.375,8.136 43.825,8.136 43.825,8.725 44.4,9.3 45.375,9.3 46.15,8.525 47.075,8.525 47.075,9.375 46.6,9.85 46.35,10.1
GND on Bottom Layer "Plano_Masa_Top" (solid, remove dead copper, pour order 59): 0.115,21.654 0.115,0.136 33.84,0.136 44.09,0.136 48.365,0.136 48.365,21.654 38.615,21.654 38.615,29.786 21.115,29.786 21.115,30.386 9.865,30.386 9.865,21.654
3.3V on Bottom Layer "3.3v_bottom" (solid, remove dead copper, pour order 38): 44.35,13.225 47.2,13.225 cw(c47.2,12.975) 47.45,12.975 47.45,10.95 cw(c47.25,10.95) 47.25,10.75 44.35,10.75 cw(c44.35,10.95) 44.15,10.95 44.15,13.025 cw(c44.35,13.025)

## Other copper
Top Layer:
  region net GND: 48.382,5.202 48.382,1.098 cw(c46.13,3.15)
  region net GND: 0.135,17.328 ccw(c2.392,19.385) 4.342,21.735 0.142,21.735
  region net GND: 0.118,1.098 0.118,5.202 cw(c2.37,3.15)
  region net GND: 43.954,21.692 ccw(c46.011,19.435) 48.361,17.485 48.361,21.685
  pour cut-out: 42.34,8.578 43.31,8.578 43.31,7.6 42.34,7.6
Bottom Layer:
  region net GND: 48.382,1.098 48.382,5.202 ccw(c46.13,3.15)
  region net GND: 0.118,1.098 0.118,5.202 cw(c2.37,3.15)
  region net GND: 43.968,21.732 ccw(c46.025,19.475) 48.375,17.525 48.375,21.725
  region net GND: 0.11,17.318 ccw(c2.368,19.375) 4.318,21.725 0.118,21.725
  pour cut-out: 41.775,9.175 43.875,9.175 43.875,7.039 41.775,7.039

## Silkscreen, mask and mechanical layers (free items; w line width, h text height)
Top Overlay:
  text "F5000 /  RTM" at 5.375,2.425 h0.85
  text "Box  / Synergy" at 5.15,0.136 h0.65
Bottom Solder:
  region: 9.75,18.576 12.375,18.576 12.375,15.1 9.75,15.1
  region: 44.15,13.225 47.45,13.225 47.45,10.75 44.15,10.75
Board Outline:
  lines w0.1: 0,0 48.5,0 48.5,21.875 38.75,21.875 38.75,29.9 21.25,29.9 21.25,30.5 9.75,30.5 9.75,21.85 0,21.85 0,0
Top Assembly:
  text "Assembly TOP (F5k-RTM)" at 22.325,19.55 h0.65
Bottom Assembly:
  text "Assembly BOTTOM (F5k-RTM)" at 37.05,19.537 h0.65

## Text inside footprints (layer, text, board x,y; h text height)
J_Battery: Top Overlay "+" at 7.364,14.745 h1.02 r180; Top Overlay "-" at 1.964,14.745 h1.02 r180
J_Jumper: Top Overlay "Jumper" at 12.705,1.125 h0.34 r180
J_UART: Top Overlay "UART" at 41.137,0.648 h0.41 r180; Top Overlay "3V3" at 39.086,1.029 h0.3 r90; Top Overlay "Tx" at 39.086,2.426 h0.3 r90; Top Overlay "Rx" at 39.086,3.696 h0.3 r90; Top Overlay "GND" at 39.086,4.839 h0.3 r90